# KiCad board badge.kicad_pcb (continued)
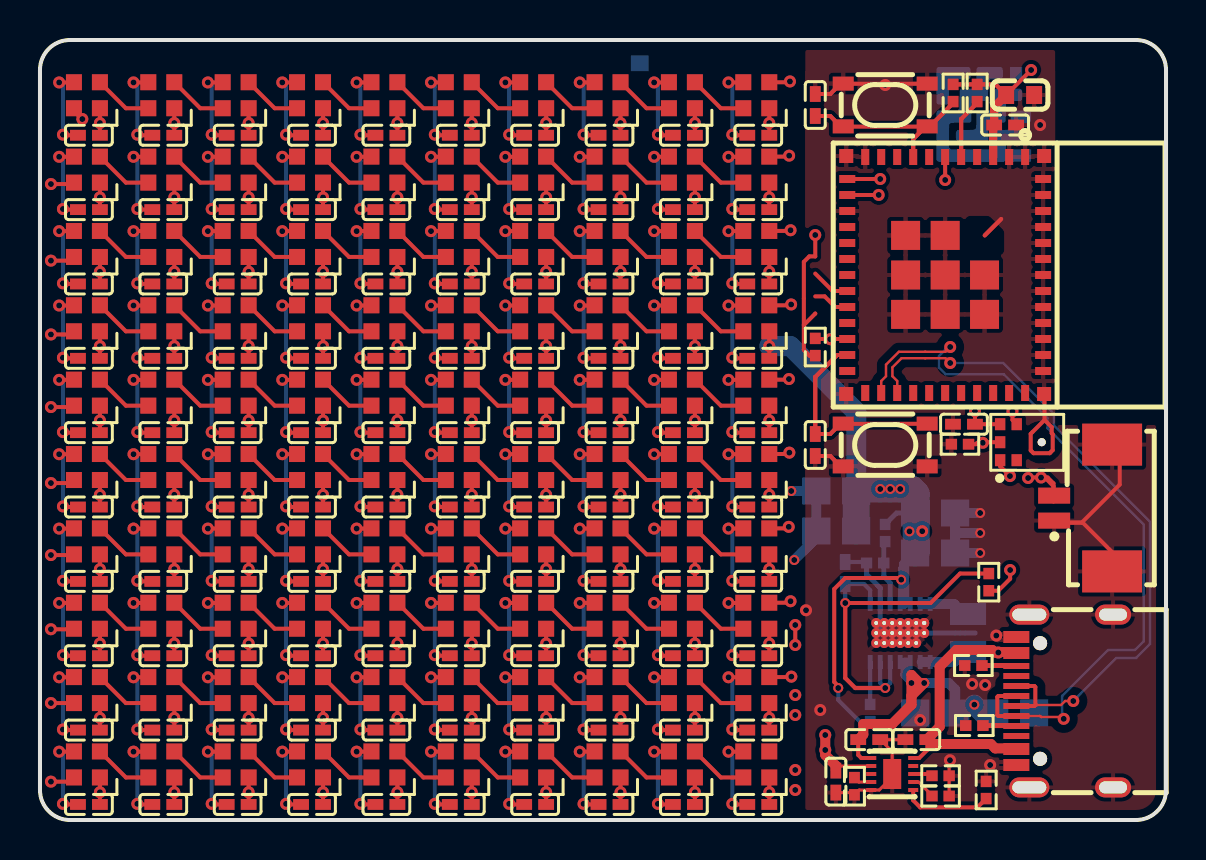
[diagram p0: board, top side]
## Library data of the parts (continued)
R5 = -: Datasheet: https://www.lcsc.com/datasheet/lcsc_datasheet_2206010100_UNI-ROYAL-Uniroyal-Elec-0402WGF1003TCE_C25741.pdf; __atopile_lib_fp_hash__: beab3859-96d6-29a8-c316-33ffcbeee712; LCSC: C25741; Manufacturer: UNI-ROYAL(Uniroyal Elec); Partnumber: 0402WGF1003TCE; PARAM_max_power: {"type": "Quantity_Set_Discrete", "data": {"intervals": {"type": "Numeric_Interval_Disjoint", "data": {"intervals": [{"type": "Numeric_Interval", "data": {"min": 0.0625, "max": 0.0625}}]}}, "unit": "watt"}}; PARAM_max_voltage: {"type": "Quantity_Set_Discrete", "data": {"intervals": {"type": "Numeric_Interval_Disjoint", "data": {"intervals": [{"type": "Numeric_Interval", "data": {"min": 50.0, "max": 50.0}}]}}, "unit": "volt"}}; PARAM_resistance: {"type": "Quantity_Interval_Disjoint", "data": {"intervals": {"type": "Numeric_Interval_Disjoint", "data": {"intervals": [{"type": "Numeric_Interval", "data": {"min": 99000.00002235174, "max": 100999.99997764826}}]}}, "unit": "ohm"}}; atopile_address: microphone.sd_pulldown_resistor; atopile_subaddresses: [.ato/modules/atopile/microphones/layouts/default/default.kicad_pcb:sd_pulldown_resistor, .ato/modules/atopile/microphones/layouts/tdk_invensense_ics_43434/tdk_invensense_ics_43434.kicad_pcb:sd_pulldown_resistor]
R6 = -: Datasheet: https://www.lcsc.com/datasheet/lcsc_datasheet_2411221126_UNI-ROYAL-Uniroyal-Elec-0402WGF1002TCE_C25744.pdf; __atopile_lib_fp_hash__: ac993d00-cd2e-9909-323a-aafc825a9032; LCSC: C25744; Manufacturer: UNI-ROYAL(Uniroyal Elec); Partnumber: 0402WGF1002TCE; PARAM_max_power: {"type": "Quantity_Set_Discrete", "data": {"intervals": {"type": "Numeric_Interval_Disjoint", "data": {"intervals": [{"type": "Numeric_Interval", "data": {"min": 0.0625, "max": 0.0625}}]}}, "unit": "watt"}}; PARAM_max_voltage: {"type": "Quantity_Set_Discrete", "data": {"intervals": {"type": "Numeric_Interval_Disjoint", "data": {"intervals": [{"type": "Numeric_Interval", "data": {"min": 50.0, "max": 50.0}}]}}, "unit": "volt"}}; PARAM_resistance: {"type": "Quantity_Interval_Disjoint", "data": {"intervals": {"type": "Numeric_Interval_Disjoint", "data": {"intervals": [{"type": "Numeric_Interval", "data": {"min": 9900.000002235174, "max": 10099.999997764826}}]}}, "unit": "ohm"}}; atopile_address: buck_boost_en_pullup
R7 = -: Datasheet: https://www.lcsc.com/datasheet/lcsc_datasheet_2411221126_UNI-ROYAL-Uniroyal-Elec-0402WGF1002TCE_C25744.pdf; __atopile_lib_fp_hash__: ac993d00-cd2e-9909-323a-aafc825a9032; LCSC: C25744; Manufacturer: UNI-ROYAL(Uniroyal Elec); Partnumber: 0402WGF1002TCE; PARAM_max_power: {"type": "Quantity_Set_Discrete", "data": {"intervals": {"type": "Numeric_Interval_Disjoint", "data": {"intervals": [{"type": "Numeric_Interval", "data": {"min": 0.0625, "max": 0.0625}}]}}, "unit": "watt"}}; PARAM_max_voltage: {"type": "Quantity_Set_Discrete", "data": {"intervals": {"type": "Numeric_Interval_Disjoint", "data": {"intervals": [{"type": "Numeric_Interval", "data": {"min": 50.0, "max": 50.0}}]}}, "unit": "volt"}}; PARAM_resistance: {"type": "Quantity_Interval_Disjoint", "data": {"intervals": {"type": "Numeric_Interval_Disjoint", "data": {"intervals": [{"type": "Numeric_Interval", "data": {"min": 9900.000002235174, "max": 10099.999997764826}}]}}, "unit": "ohm"}}; atopile_address: microcontroller.boot_mode_resistors[0]; atopile_subaddresses: [.ato/modules/atopile/espressif-esp32-c3/layouts/esp32_c3_mini_1_driver/esp32_c3_mini_1_driver.kicad_pcb:boot_mode_resistors[0]]
R8 = -: Datasheet: https://www.lcsc.com/datasheet/lcsc_datasheet_2411221126_UNI-ROYAL-Uniroyal-Elec-0402WGF1002TCE_C25744.pdf; __atopile_lib_fp_hash__: ac993d00-cd2e-9909-323a-aafc825a9032; LCSC: C25744; Manufacturer: UNI-ROYAL(Uniroyal Elec); Partnumber: 0402WGF1002TCE; PARAM_max_power: {"type": "Quantity_Set_Discrete", "data": {"intervals": {"type": "Numeric_Interval_Disjoint", "data": {"intervals": [{"type": "Numeric_Interval", "data": {"min": 0.0625, "max": 0.0625}}]}}, "unit": "watt"}}; PARAM_max_voltage: {"type": "Quantity_Set_Discrete", "data": {"intervals": {"type": "Numeric_Interval_Disjoint", "data": {"intervals": [{"type": "Numeric_Interval", "data": {"min": 50.0, "max": 50.0}}]}}, "unit": "volt"}}; PARAM_resistance: {"type": "Quantity_Interval_Disjoint", "data": {"intervals": {"type": "Numeric_Interval_Disjoint", "data": {"intervals": [{"type": "Numeric_Interval", "data": {"min": 9900.000002235174, "max": 10099.999997764826}}]}}, "unit": "ohm"}}; atopile_address: microcontroller.boot_mode_resistors[1]; atopile_subaddresses: [.ato/modules/atopile/espressif-esp32-c3/layouts/esp32_c3_mini_1_driver/esp32_c3_mini_1_driver.kicad_pcb:boot_mode_resistors[1]]
R9 = -: Datasheet: https://www.lcsc.com/datasheet/lcsc_datasheet_2206010045_UNI-ROYAL-Uniroyal-Elec-0402WGF4701TCE_C25900.pdf; __atopile_lib_fp_hash__: dd6798aa-a15f-8992-c268-e590b3574bd3; LCSC: C25900; Manufacturer: UNI-ROYAL(Uniroyal Elec); Partnumber: 0402WGF4701TCE; PARAM_max_power: {"type": "Quantity_Set_Discrete", "data": {"intervals": {"type": "Numeric_Interval_Disjoint", "data": {"intervals": [{"type": "Numeric_Interval", "data": {"min": 0.0625, "max": 0.0625}}]}}, "unit": "watt"}}; PARAM_max_voltage: {"type": "Quantity_Set_Discrete", "data": {"intervals": {"type": "Numeric_Interval_Disjoint", "data": {"intervals": [{"type": "Numeric_Interval", "data": {"min": 50.0, "max": 50.0}}]}}, "unit": "volt"}}; PARAM_resistance: {"type": "Quantity_Interval_Disjoint", "data": {"intervals": {"type": "Numeric_Interval_Disjoint", "data": {"intervals": [{"type": "Numeric_Interval", "data": {"min": 4653.000001050532, "max": 4746.999998949468}}]}}, "unit": "ohm"}}; atopile_address: usb_c.cc1_res; atopile_subaddresses: [.ato/modules/atopile/usb-connectors/layouts/usbc/usbc.kicad_pcb:cc1_res]
R10 = -: Datasheet: https://www.lcsc.com/datasheet/lcsc_datasheet_2206010045_UNI-ROYAL-Uniroyal-Elec-0402WGF4701TCE_C25900.pdf; __atopile_lib_fp_hash__: dd6798aa-a15f-8992-c268-e590b3574bd3; LCSC: C25900; Manufacturer: UNI-ROYAL(Uniroyal Elec); Partnumber: 0402WGF4701TCE; PARAM_max_power: {"type": "Quantity_Set_Discrete", "data": {"intervals": {"type": "Numeric_Interval_Disjoint", "data": {"intervals": [{"type": "Numeric_Interval", "data": {"min": 0.0625, "max": 0.0625}}]}}, "unit": "watt"}}; PARAM_max_voltage: {"type": "Quantity_Set_Discrete", "data": {"intervals": {"type": "Numeric_Interval_Disjoint", "data": {"intervals": [{"type": "Numeric_Interval", "data": {"min": 50.0, "max": 50.0}}]}}, "unit": "volt"}}; PARAM_resistance: {"type": "Quantity_Interval_Disjoint", "data": {"intervals": {"type": "Numeric_Interval_Disjoint", "data": {"intervals": [{"type": "Numeric_Interval", "data": {"min": 4653.000001050532, "max": 4746.999998949468}}]}}, "unit": "ohm"}}; atopile_address: usb_c.cc2_res; atopile_subaddresses: [.ato/modules/atopile/usb-connectors/layouts/usbc/usbc.kicad_pcb:cc2_res]
R11 = -: Datasheet: https://www.lcsc.com/datasheet/lcsc_datasheet_2411221126_UNI-ROYAL-Uniroyal-Elec-0402WGF1002TCE_C25744.pdf; __atopile_lib_fp_hash__: ac993d00-cd2e-9909-323a-aafc825a9032; LCSC: C25744; Manufacturer: UNI-ROYAL(Uniroyal Elec); Partnumber: 0402WGF1002TCE; PARAM_max_power: {"type": "Quantity_Set_Discrete", "data": {"intervals": {"type": "Numeric_Interval_Disjoint", "data": {"intervals": [{"type": "Numeric_Interval", "data": {"min": 0.0625, "max": 0.0625}}]}}, "unit": "watt"}}; PARAM_max_voltage: {"type": "Quantity_Set_Discrete", "data": {"intervals": {"type": "Numeric_Interval_Disjoint", "data": {"intervals": [{"type": "Numeric_Interval", "data": {"min": 50.0, "max": 50.0}}]}}, "unit": "volt"}}; PARAM_resistance: {"type": "Quantity_Interval_Disjoint", "data": {"intervals": {"type": "Numeric_Interval_Disjoint", "data": {"intervals": [{"type": "Numeric_Interval", "data": {"min": 9900.000002235174, "max": 10099.999997764826}}]}}, "unit": "ohm"}}; atopile_address: charger.charge_enable_resistor; atopile_subaddresses: [.ato/modules/atopile/ti-bq25185/layouts/default/default.kicad_pcb:charge_enable_resistor]
R12 = -: Datasheet: https://www.lcsc.com/datasheet/lcsc_datasheet_2304140030_YAGEO-RC0402FR-0718KL_C138044.pdf; __atopile_lib_fp_hash__: e62cc20d-49ef-a9c9-6771-fdbe1145d3d4; LCSC: C138044; Manufacturer: YAGEO; Partnumber: RC0402FR-0718KL; PARAM_max_power: {"type": "Quantity_Set_Discrete", "data": {"intervals": {"type": "Numeric_Interval_Disjoint", "data": {"intervals": [{"type": "Numeric_Interval", "data": {"min": 0.0625, "max": 0.0625}}]}}, "unit": "watt"}}; PARAM_max_voltage: {"type": "Quantity_Set_Discrete", "data": {"intervals": {"type": "Numeric_Interval_Disjoint", "data": {"intervals": [{"type": "Numeric_Interval", "data": {"min": 50.0, "max": 50.0}}]}}, "unit": "volt"}}; PARAM_resistance: {"type": "Quantity_Interval_Disjoint", "data": {"intervals": {"type": "Numeric_Interval_Disjoint", "data": {"intervals": [{"type": "Numeric_Interval", "data": {"min": 17820.000004023314, "max": 18179.999995976686}}]}}, "unit": "ohm"}}; atopile_address: charger.ilim_vset_resistor; atopile_subaddresses: [.ato/modules/atopile/ti-bq25185/layouts/default/default.kicad_pcb:ilim_vset_resistor]
R13 = -: Datasheet: https://www.lcsc.com/datasheet/lcsc_datasheet_2411221126_UNI-ROYAL-Uniroyal-Elec-0402WGF1002TCE_C25744.pdf; __atopile_lib_fp_hash__: ac993d00-cd2e-9909-323a-aafc825a9032; LCSC: C25744; Manufacturer: UNI-ROYAL(Uniroyal Elec); Partnumber: 0402WGF1002TCE; PARAM_max_power: {"type": "Quantity_Set_Discrete", "data": {"intervals": {"type": "Numeric_Interval_Disjoint", "data": {"intervals": [{"type": "Numeric_Interval", "data": {"min": 0.0625, "max": 0.0625}}]}}, "unit": "watt"}}; PARAM_max_voltage: {"type": "Quantity_Set_Discrete", "data": {"intervals": {"type": "Numeric_Interval_Disjoint", "data": {"intervals": [{"type": "Numeric_Interval", "data": {"min": 50.0, "max": 50.0}}]}}, "unit": "volt"}}; PARAM_resistance: {"type": "Quantity_Interval_Disjoint", "data": {"intervals": {"type": "Numeric_Interval_Disjoint", "data": {"intervals": [{"type": "Numeric_Interval", "data": {"min": 9900.000002235174, "max": 10099.999997764826}}]}}, "unit": "ohm"}}; atopile_address: ts_mr_pull_down
R15 = -: Datasheet: https://www.lcsc.com/datasheet/lcsc_datasheet_2411221126_UNI-ROYAL-Uniroyal-Elec-0402WGF1002TCE_C25744.pdf; __atopile_lib_fp_hash__: ac993d00-cd2e-9909-323a-aafc825a9032; LCSC: C25744; Manufacturer: UNI-ROYAL(Uniroyal Elec); Partnumber: 0402WGF1002TCE; PARAM_max_power: {"type": "Quantity_Set_Discrete", "data": {"intervals": {"type": "Numeric_Interval_Disjoint", "data": {"intervals": [{"type": "Numeric_Interval", "data": {"min": 0.0625, "max": 0.0625}}]}}, "unit": "watt"}}; PARAM_max_voltage: {"type": "Quantity_Set_Discrete", "data": {"intervals": {"type": "Numeric_Interval_Disjoint", "data": {"intervals": [{"type": "Numeric_Interval", "data": {"min": 50.0, "max": 50.0}}]}}, "unit": "volt"}}; PARAM_resistance: {"type": "Quantity_Interval_Disjoint", "data": {"intervals": {"type": "Numeric_Interval_Disjoint", "data": {"intervals": [{"type": "Numeric_Interval", "data": {"min": 9900.000002235174, "max": 10099.999997764826}}]}}, "unit": "ohm"}}; atopile_address: microcontroller.reset_pullup_resistor; atopile_subaddresses: [.ato/modules/atopile/espressif-esp32-c3/layouts/esp32_c3_mini_1_driver/esp32_c3_mini_1_driver.kicad_pcb:reset_pullup_resistor]
SW1 = -: __atopile_lib_fp_hash__: b3ea64b0-6608-9f7c-446e-1524ca883933; LCSC: C139797; Manufacturer: ALPSALPINE; Partnumber: SKRPACE010; atopile_address: microcontroller.boot_switch.package; atopile_subaddresses: [.ato/modules/atopile/buttons/layouts/VerticalButton/VerticalButton.kicad_pcb:package, .ato/modules/atopile/buttons/layouts/default/button-pullup.kicad_pcb:package, .ato/modules/atopile/espressif-esp32-c3/layouts/esp32_c3_mini_1_driver/esp32_c3_mini_1_driver.kicad_pcb:boot_switch.package]
SW2 = -: __atopile_lib_fp_hash__: b3ea64b0-6608-9f7c-446e-1524ca883933; LCSC: C139797; Manufacturer: ALPSALPINE; Partnumber: SKRPACE010; atopile_address: microcontroller.reset_switch.package; atopile_subaddresses: [.ato/modules/atopile/buttons/layouts/VerticalButton/VerticalButton.kicad_pcb:package, .ato/modules/atopile/buttons/layouts/default/button-pullup.kicad_pcb:package, .ato/modules/atopile/espressif-esp32-c3/layouts/esp32_c3_mini_1_driver/esp32_c3_mini_1_driver.kicad_pcb:reset_switch.package]
U2 = -: __atopile_lib_fp_hash__: 059f2735-cd6c-26d5-55e4-96b1984c7129; LCSC: C177225; Manufacturer: MOLEX; Partnumber: 532610271; atopile_address: battery.connector; atopile_subaddresses: [.ato/modules/atopile/batteries/layouts/default/default.kicad_pcb:connector]
U3 = -: __atopile_lib_fp_hash__: 51296795-1020-af41-0c20-6fa8bc265c13; LCSC: C5656610; Manufacturer: TDK InvenSense; Partnumber: ICS-43434; atopile_address: microphone.package; atopile_subaddresses: [.ato/modules/atopile/microphones/layouts/default/default.kicad_pcb:package, .ato/modules/atopile/microphones/layouts/tdk_invensense_ics_43434/tdk_invensense_ics_43434.kicad_pcb:package]
U4 = -: __atopile_lib_fp_hash__: 65741a0f-e871-1a2e-865c-adf371bac27c; LCSC: C2838502; Manufacturer: Espressif Systems; Partnumber: ESP32-C3-MINI-1-N4; atopile_address: microcontroller.esp32_c3.package; atopile_subaddresses: [.ato/modules/atopile/espressif-esp32-c3/layouts/esp32_c3_mini_1_driver/esp32_c3_mini_1_driver.kicad_pcb:esp32_c3.package]
U5 = -: __atopile_lib_fp_hash__: a78addc4-ba85-1a8d-fdde-76dcfb9e363d; LCSC: C19725033; Manufacturer: BQ25185DLHR; Partnumber: BQ25185DLHR; atopile_address: charger.package; atopile_subaddresses: [.ato/modules/atopile/ti-bq25185/layouts/default/default.kicad_pcb:package]
U6 = -: Datasheet: https://lcsc.com/datasheet/lcsc_datasheet_2410010330_TI-TPS63020DSJR_C15483.pdf; __atopile_lib_fp_hash__: cbcb1052-f727-36a1-ad31-8f01a62dece4; LCSC: C15483; Manufacturer: Texas Instruments; Partnumber: TPS63020DSJR; atopile_address: buck_boost.package; atopile_subaddresses: [.ato/modules/atopile/ti-tps63020/layouts/default/default.kicad_pcb:package]
USB1 = -: __atopile_lib_fp_hash__: 92556f93-0c1c-653a-5033-e70ff417cbbd; LCSC: C709357; Manufacturer: kinghelm; Partnumber: KH-TYPE-C-16P; atopile_address: usb_c.conn; atopile_subaddresses: [.ato/modules/atopile/usb-connectors/layouts/usbc/usbc.kicad_pcb:conn]

## Footprints (pads in the part's own frame, mm; a bottom-side part is the same pattern mirrored in y, then rotated)
C0402
  rect 0.79x0.54 smd: 1(-0.55,0) 2(0.55,0)
C0603
  rect 0.8x0.9 smd: 1(-0.7,0) 2(0.7,0)
C0805
  rect 1.41x1.35 smd: 1(-1,0) 2(1,0)
CONN-SMD_532610271
  rect 0.8x1.6 smd: 1(0.63,-1.45) 2(-0.62,-1.45)
  rect 2.1x3 smd: 3(3.17,1.45) 4(-3.17,1.45)
IND-SMD_L2.5-W2.0_WPN252012H
  rect 1.1x1.8 smd: 1(-0.95,0) 2(0.95,0)
KEY-SMD_4P-L4.2-W3.2-P2.20-LS4.6
  rect 1.05x0.7 smd: 1(-2.1,1.07) 2(2.1,1.07) 3(-2.1,-1.07) 4(2.1,-1.07)
LED-SMD_4P-L2.0-W2.0-BR
  rect 0.8x0.8 smd: 1(0.65,-0.65) 2(0.65,0.65) 3(-0.65,0.65) 4(-0.65,-0.65)
MIC-SMD_6P-L3.5-W2.7-P0.90-BL
  round 0.4 hole 0.4: (0.79,0)
  rect 0.52x0.6 smd: 1(-1.29,-0.9) 2(-0.46,-0.9) 4(-0.46,0.9) 5(-1.29,0.9) 6(-1.29,0)
  custom 0.01x0.01 smd: 3(0.28,-0.45) 3(0.33,0.51) 3(1.23,-0.51) 3(1.29,0.45)
R0402
  rect 0.57x0.54 smd: 1(-0.43,0) 2(0.43,0)
USB-C-SMD_KH-TYPE-C-16P
  round 0.7 hole 0.7: (-2.89,1.23) (2.89,1.23)
  oval 1x2 hole 0.6x1.7: 1(-4.32,1.77) 2(4.32,1.77)
  oval 1x1.8 hole 0.6x1.4: 3(-4.32,-2.42) 4(4.32,-2.42)
  rect 0.3x1.3 smd: A1(-3.35,2.42) A4(-2.55,2.42) A5(-1.25,2.42) A6(-0.25,2.42) A7(0.25,2.42) A8(1.25,2.42) A9(2.55,2.42) A12(3.35,2.42) B1(3.05,2.42) B4(2.25,2.42) B5(1.75,2.42) B6(0.75,2.42) B7(-0.75,2.42) B8(-1.75,2.42) B9(-2.25,2.42) B12(-3.05,2.42)
VSON-14_L4.0-W3.0-P0.50-BL-EP_TI_DSJ
  rect 0.25x0.7 smd: 1(-1.5,-1.45) 2(-1,-1.45) 3(-0.5,-1.45) 4(0,-1.45) 5(0.5,-1.45) 6(1,-1.45) 7(1.5,-1.45) 8(1.5,1.45) 9(1,1.45) 10(0.5,1.45) 11(0,1.45) 12(-0.5,1.45) 13(-1,1.45) 14(-1.5,1.45)
  round 0.5 hole 0.2: 15(-1.2,-0.5) 15(-1.2,0) 15(-1.2,0.5) 15(-0.8,-0.5) 15(-0.8,0) 15(-0.8,0.5) 15(-0.4,-0.5) 15(-0.4,0) 15(-0.4,0.5) 15(0,-0.5) 15(0,0) 15(0,0.5) 15(0.4,-0.5) 15(0.4,0) 15(0.4,0.5) 15(0.8,-0.5) 15(0.8,0) 15(0.8,0.5) 15(1.2,-0.5) 15(1.2,-0.5) 15(1.2,0)
  custom 0.01x0.01 smd: 15(0,0)
WIFIM-SMD_ESP32-C3-MINI-1
  rect 0.8x0.4 smd: 1(-5.9,4) 2(-5.9,3.2) 3(-5.9,2.4) 4(-5.9,1.6) 5(-5.9,0.8) 6(-5.9,0) 7(-5.9,-0.8) 8(-5.9,-1.6) 9(-5.9,-2.4) 10(-5.9,-3.2) 11(-5.9,-4) 25(5.9,-4) 26(5.9,-3.2) 27(5.9,-2.4) 28(5.9,-1.6) 29(5.9,-0.8) 30(5.9,0) 31(5.9,0.8) 32(5.9,1.6) 33(5.9,2.4) 34(5.9,3.2) 35(5.9,4)
  rect 0.4x0.8 smd: 12(-4.8,-4.9) 13(-4,-4.9) 14(-3.2,-4.9) 15(-2.4,-4.9) 16(-1.6,-4.9) 17(-0.8,-4.9) 18(0,-4.9) 19(0.8,-4.9) 20(1.6,-4.9) 21(2.4,-4.9) 22(3.2,-4.9) 23(4,-4.9) 24(4.8,-4.9) 36(4.8,4.9) 37(4,4.9) 38(3.2,4.9) 39(2.4,4.9) 40(1.6,4.9) 41(0.8,4.9) 42(0,4.9) 43(-0.8,4.9) 44(-1.6,4.9) 45(-2.4,4.9) 46(-3.2,4.9) 47(-4,4.9) 48(-4.8,4.9)
  custom 0.01x0.01 smd: 49(-1.98,1.98)
  rect 1.45x1.45 smd: 49(-1.98,0) 49(-1.98,-1.98) 49(0,1.97) 49(0,0) 49(0,-1.98) 49(1.97,1.97) 49(1.97,0) 49(1.97,-1.98)
  rect 0.7x0.7 smd: 50(5.95,4.95) 51(5.95,-4.95) 52(-5.95,-4.95) 53(-5.95,4.95)
WSON-10_L2.2-W2.0-P0.40-BL-EP_TI_DLH0010A
  rect 0.2x0.5 smd: 1(-0.8,-1.05) 2(-0.4,-1.05) 3(0,-1.05) 4(0.4,-1.05) 5(0.8,-1.05) 6(0.8,1.05) 7(0.4,1.05) 8(0,1.05) 9(-0.4,1.05) 10(-0.8,1.05)
  rect 1.5x0.9 smd: 11(0,0)

## Nets
gnd: C1.2 C2.2 C3.2 C4.2 C5.2 C6.2 C7.2 C8.2 C9.2 C10.2 C11.2 C12.2 C13.2 C14.2 C15.2 C16.2 C17.2 C18.2 C19.2 C20.2 C21.2 C22.2 C23.2 C24.2 C25.2 C26.2 C27.2 C28.2 C29.2 C30.2 C31.2 C32.2 C33.2 C34.2 C35.2 C36.2 C37.2 C38.2 C39.2 C40.2 C41.2 C42.2 C43.2 C44.2 C45.2 C46.2 C47.2 C48.2 C49.2 C50.2 C51.2 C52.2 C53.2 C54.2 C55.2 C56.2 C57.2 C58.2 C59.2 C60.2 C61.2 C62.2 C63.2 C64.2 C65.2 C66.2 C67.2 C68.2 C69.2 C70.2 C71.2 C72.2 C73.2 C74.2 C75.2 C76.2 C77.2 C78.2 C79.2 C80.2 C81.2 C82.2 C83.2 C84.2 C85.2 C86.2 C87.2 C88.2 C89.2 C90.2 C91.2 C92.2 C93.2 C94.2 C95.2 C96.2 C97.2 C98.2 C99.2 C100.2 C101.2 C102.2 C103.2 C104.2 C105.2 C106.1 C107.1 C108.2 C109.2 C110.2 C111.2 C112.2 C113.2 C114.2 C115.2 LED1.3 LED2.3 LED3.3 LED4.3 LED5.3 LED6.3 LED7.3 LED8.3 LED9.3 LED10.3 LED11.3 LED12.3 LED13.3 LED14.3 LED15.3 LED16.3 LED17.3 LED18.3 LED19.3 LED20.3 LED21.3 LED22.3 LED23.3 LED24.3 LED25.3 LED26.3 LED27.3 LED28.3 LED29.3 LED30.3 LED31.3 LED32.3 LED33.3 LED34.3 LED35.3 LED36.3 LED37.3 LED38.3 LED39.3 LED40.3 LED41.3 LED42.3 LED43.3 LED44.3 LED45.3 LED46.3 LED47.3 LED48.3 LED49.3 LED50.3 LED51.3 LED52.3 LED53.3 LED54.3 LED55.3 LED56.3 LED57.3 LED58.3 LED59.3 LED60.3 LED61.3 LED62.3 LED63.3 LED64.3 LED65.3 LED66.3 LED67.3 LED68.3 LED69.3 LED70.3 LED71.3 LED72.3 LED73.3 LED74.3 LED75.3 LED76.3 LED77.3 LED78.3 LED79.3 LED80.3 LED81.3 LED82.3 LED83.3 LED84.3 LED85.3 LED86.3 LED87.3 LED88.3 LED89.3 LED90.3 LED91.3 LED92.3 LED93.3 LED94.3 LED95.3 LED96.3 LED97.3 LED98.3 LED99.3 LED100.3 R1.2 R4.2 R5.2 R9.2 R10.2 R11.2 R12.2 R13.2 SW1.1 SW1.2 SW2.1 SW2.2 U2.1 U2.3 U2.4 U3.3 U4.1 U4.2 U4.11 U4.14 U4.36 U4.37 U4.38 U4.39 U4.40 U4.41 U4.42 U4.43 U4.44 U4.45 U4.46 U4.47 U4.48 U4.49 U4.50 U4.51 U4.52 U4.53 U5.5 U5.11 U6.2 U6.15 USB1.1 USB1.2 USB1.3 USB1.4 USB1.A1 USB1.A12 USB1.B1 USB1.B12
VCC: C112.1 R6.1 U6.1 U6.12 U6.13
A5: R9.1 USB1.A5
A8: USB1.A8
B5: R10.1 USB1.B5
B8: USB1.B8
conn-net: USB1.
data_0: U4.21
data_1: R7.1 U4.5
data_2: U4.19
data_3: U4.18
data_out-line: LED100.2
esp32_c3-net-0: U4.24
esp32_c3-net-1: U4.25
esp32_c3-net-2: U4.10
esp32_c3-net-3: U4.28
esp32_c3-net-4: U4.29
esp32_c3-net-5: U4.32
esp32_c3-net-6: U4.33
esp32_c3-net-7: U4.34
esp32_c3-net-8: U4.35
esp32_c3-net-9: U4.4
esp32_c3-net-10: U4.7
esp32_c3-net-11: U4.9
esp32_c3-net-12: U4.15
esp32_c3-net-13: U4.17
footprint-net: U3.
i2s_sck: U3.4 U4.12
i2s_sd: R5.1 U3.6 U4.13
i2s_ws: U3.1 U4.6
ILIM_VSET: R12.1 U5.7
ISET: R4.1 U5.8
L1: L1.1 U6.8 U6.9
L2: L1.2 U6.6 U6.7
led_data: LED1.4 R8.1 U4.22
leds[1]-data_in-DIN-0: LED1.2 LED2.4
leds[1]-data_in-DIN-1: LED11.2 LED12.4
leds[1]-data_in-DIN-2: LED21.2 LED22.4
leds[1]-data_in-DIN-3: LED31.2 LED32.4
leds[1]-data_in-DIN-4: LED41.2 LED42.4
leds[1]-data_in-DIN-5: LED51.2 LED52.4
leds[1]-data_in-DIN-6: LED61.2 LED62.4
leds[1]-data_in-DIN-7: LED71.2 LED72.4
leds[1]-data_in-DIN-8: LED81.2 LED82.4
leds[1]-data_in-DIN-9: LED91.2 LED92.4
leds[2]-data_in-DIN-0: LED2.2 LED3.4
leds[2]-data_in-DIN-1: LED12.2 LED13.4
leds[2]-data_in-DIN-2: LED22.2 LED23.4
leds[2]-data_in-DIN-3: LED32.2 LED33.4
leds[2]-data_in-DIN-4: LED42.2 LED43.4
leds[2]-data_in-DIN-5: LED52.2 LED53.4
leds[2]-data_in-DIN-6: LED62.2 LED63.4
leds[2]-data_in-DIN-7: LED72.2 LED73.4
leds[2]-data_in-DIN-8: LED82.2 LED83.4
leds[2]-data_in-DIN-9: LED92.2 LED93.4
leds[3]-data_in-DIN-0: LED3.2 LED4.4
leds[3]-data_in-DIN-1: LED13.2 LED14.4
leds[3]-data_in-DIN-2: LED23.2 LED24.4
leds[3]-data_in-DIN-3: LED33.2 LED34.4
leds[3]-data_in-DIN-4: LED43.2 LED44.4
leds[3]-data_in-DIN-5: LED53.2 LED54.4
leds[3]-data_in-DIN-6: LED63.2 LED64.4
leds[3]-data_in-DIN-7: LED73.2 LED74.4
leds[3]-data_in-DIN-8: LED83.2 LED84.4
leds[3]-data_in-DIN-9: LED93.2 LED94.4
leds[4]-data_in-DIN-0: LED4.2 LED5.4
leds[4]-data_in-DIN-1: LED14.2 LED15.4
leds[4]-data_in-DIN-2: LED24.2 LED25.4
leds[4]-data_in-DIN-3: LED34.2 LED35.4
leds[4]-data_in-DIN-4: LED44.2 LED45.4
leds[4]-data_in-DIN-5: LED54.2 LED55.4
leds[4]-data_in-DIN-6: LED64.2 LED65.4
leds[4]-data_in-DIN-7: LED74.2 LED75.4
leds[4]-data_in-DIN-8: LED84.2 LED85.4
leds[4]-data_in-DIN-9: LED94.2 LED95.4
leds[5]-data_in-DIN-0: LED5.2 LED6.4
leds[5]-data_in-DIN-1: LED15.2 LED16.4
leds[5]-data_in-DIN-2: LED25.2 LED26.4
leds[5]-data_in-DIN-3: LED35.2 LED36.4
leds[5]-data_in-DIN-4: LED45.2 LED46.4
leds[5]-data_in-DIN-5: LED55.2 LED56.4
leds[5]-data_in-DIN-6: LED65.2 LED66.4
leds[5]-data_in-DIN-7: LED75.2 LED76.4
leds[5]-data_in-DIN-8: LED85.2 LED86.4
leds[5]-data_in-DIN-9: LED95.2 LED96.4
leds[6]-data_in-DIN-0: LED6.2 LED7.4
leds[6]-data_in-DIN-1: LED16.2 LED17.4
leds[6]-data_in-DIN-2: LED26.2 LED27.4
leds[6]-data_in-DIN-3: LED36.2 LED37.4
leds[6]-data_in-DIN-4: LED46.2 LED47.4
leds[6]-data_in-DIN-5: LED56.2 LED57.4
leds[6]-data_in-DIN-6: LED66.2 LED67.4
leds[6]-data_in-DIN-7: LED76.2 LED77.4
leds[6]-data_in-DIN-8: LED86.2 LED87.4
leds[6]-data_in-DIN-9: LED96.2 LED97.4
leds[7]-data_in-DIN-0: LED7.2 LED8.4
leds[7]-data_in-DIN-1: LED17.2 LED18.4
leds[7]-data_in-DIN-2: LED27.2 LED28.4
leds[7]-data_in-DIN-3: LED37.2 LED38.4
leds[7]-data_in-DIN-4: LED47.2 LED48.4
leds[7]-data_in-DIN-5: LED57.2 LED58.4
leds[7]-data_in-DIN-6: LED67.2 LED68.4
leds[7]-data_in-DIN-7: LED77.2 LED78.4
leds[7]-data_in-DIN-8: LED87.2 LED88.4
leds[7]-data_in-DIN-9: LED97.2 LED98.4
leds[8]-data_in-DIN-0: LED8.2 LED9.4
leds[8]-data_in-DIN-1: LED18.2 LED19.4
leds[8]-data_in-DIN-2: LED28.2 LED29.4
leds[8]-data_in-DIN-3: LED38.2 LED39.4
leds[8]-data_in-DIN-4: LED48.2 LED49.4
leds[8]-data_in-DIN-5: LED58.2 LED59.4
leds[8]-data_in-DIN-6: LED68.2 LED69.4
leds[8]-data_in-DIN-7: LED78.2 LED79.4
leds[8]-data_in-DIN-8: LED88.2 LED89.4
leds[8]-data_in-DIN-9: LED98.2 LED99.4
leds[9]-data_in-DIN-0: LED9.2 LED10.4
leds[9]-data_in-DIN-1: LED19.2 LED20.4
leds[9]-data_in-DIN-2: LED29.2 LED30.4
leds[9]-data_in-DIN-3: LED39.2 LED40.4
leds[9]-data_in-DIN-4: LED49.2 LED50.4
leds[9]-data_in-DIN-5: LED59.2 LED60.4
leds[9]-data_in-DIN-6: LED69.2 LED70.4
leds[9]-data_in-DIN-7: LED79.2 LED80.4
leds[9]-data_in-DIN-8: LED89.2 LED90.4
leds[9]-data_in-DIN-9: LED99.2 LED100.4
LR: U3.2
N_TRST: C107.2 R15.2 SW2.3 SW2.4 U4.8
nCE: R11.1 U5.4
output: C106.2 SW1.3 SW1.4 U4.23
PG: R3.1 U6.14
power_3v3: C3.1 C4.1 C5.1 C6.1 C7.1 C8.1 C9.1 C10.1 C11.1 C12.1 C13.1 C14.1 C15.1 C16.1 C17.1 C18.1 C19.1 C20.1 C21.1 C22.1 C23.1 C24.1 C25.1 C26.1 C27.1 C28.1 C29.1 C30.1 C31.1 C32.1 C33.1 C34.1 C35.1 C36.1 C37.1 C38.1 C39.1 C40.1 C41.1 C42.1 C43.1 C44.1 C45.1 C46.1 C47.1 C48.1 C49.1 C50.1 C51.1 C52.1 C53.1 C54.1 C55.1 C56.1 C57.1 C58.1 C59.1 C60.1 C61.1 C62.1 C63.1 C64.1 C65.1 C66.1 C67.1 C68.1 C69.1 C70.1 C71.1 C72.1 C73.1 C74.1 C75.1 C76.1 C77.1 C78.1 C79.1 C80.1 C81.1 C82.1 C83.1 C84.1 C85.1 C86.1 C87.1 C88.1 C89.1 C90.1 C91.1 C92.1 C93.1 C94.1 C95.1 C96.1 C97.1 C98.1 C99.1 C100.1 C101.1 C102.1 C103.1 C104.1 C105.1 C108.1 C109.1 C110.1 C111.1 LED1.1 LED2.1 LED3.1 LED4.1 LED5.1 LED6.1 LED7.1 LED8.1 LED9.1 LED10.1 LED11.1 LED12.1 LED13.1 LED14.1 LED15.1 LED16.1 LED17.1 LED18.1 LED19.1 LED20.1 LED21.1 LED22.1 LED23.1 LED24.1 LED25.1 LED26.1 LED27.1 LED28.1 LED29.1 LED30.1 LED31.1 LED32.1 LED33.1 LED34.1 LED35.1 LED36.1 LED37.1 LED38.1 LED39.1 LED40.1 LED41.1 LED42.1 LED43.1 LED44.1 LED45.1 LED46.1 LED47.1 LED48.1 LED49.1 LED50.1 LED51.1 LED52.1 LED53.1 LED54.1 LED55.1 LED56.1 LED57.1 LED58.1 LED59.1 LED60.1 LED61.1 LED62.1 LED63.1 LED64.1 LED65.1 LED66.1 LED67.1 LED68.1 LED69.1 LED70.1 LED71.1 LED72.1 LED73.1 LED74.1 LED75.1 LED76.1 LED77.1 LED78.1 LED79.1 LED80.1 LED81.1 LED82.1 LED83.1 LED84.1 LED85.1 LED86.1 LED87.1 LED88.1 LED89.1 LED90.1 LED91.1 LED92.1 LED93.1 LED94.1 LED95.1 LED96.1 LED97.1 LED98.1 LED99.1 LED100.1 R2.1 R3.2 R7.2 R8.2 R15.1 U3.5 U4.3 U6.4 U6.5
power_battery: C113.1 U2.2 U5.2
power_system: C1.1 C2.1 C115.1 U5.1 U6.10 U6.11
rows[1]-data_in-line: LED10.2 LED11.4
rows[2]-data_in-line: LED20.2 LED21.4
rows[3]-data_in-line: LED30.2 LED31.4
rows[4]-data_in-line: LED40.2 LED41.4
rows[5]-data_in-line: LED50.2 LED51.4
rows[6]-data_in-line: LED60.2 LED61.4
rows[7]-data_in-line: LED70.2 LED71.4
rows[8]-data_in-line: LED80.2 LED81.4
rows[9]-data_in-line: LED90.2 LED91.4
RX: U4.30
SCL: U4.20
SCLK: U4.16
STAT1: U5.9
STAT2: U5.3
TS_MR: R13.1 U5.6
TX: U4.31
usb_N: U4.26 USB1.A7 USB1.B7
usb_P: U4.27 USB1.A6 USB1.B6
usb_power: C114.1 R6.2 U5.10 USB1.A4 USB1.A9 USB1.B4 USB1.B9
VDIV_OUTPUT: R1.1 R2.2 U6.3

## Via types
v1: diameter 0.6, hole 0.3, Top to Bottom, 356 vias
v2: diameter 0.5, hole 0.3, Top to Bottom, 16 vias
